# KiCad board SoundLab16StepSequencer.kicad_pcb (continued)
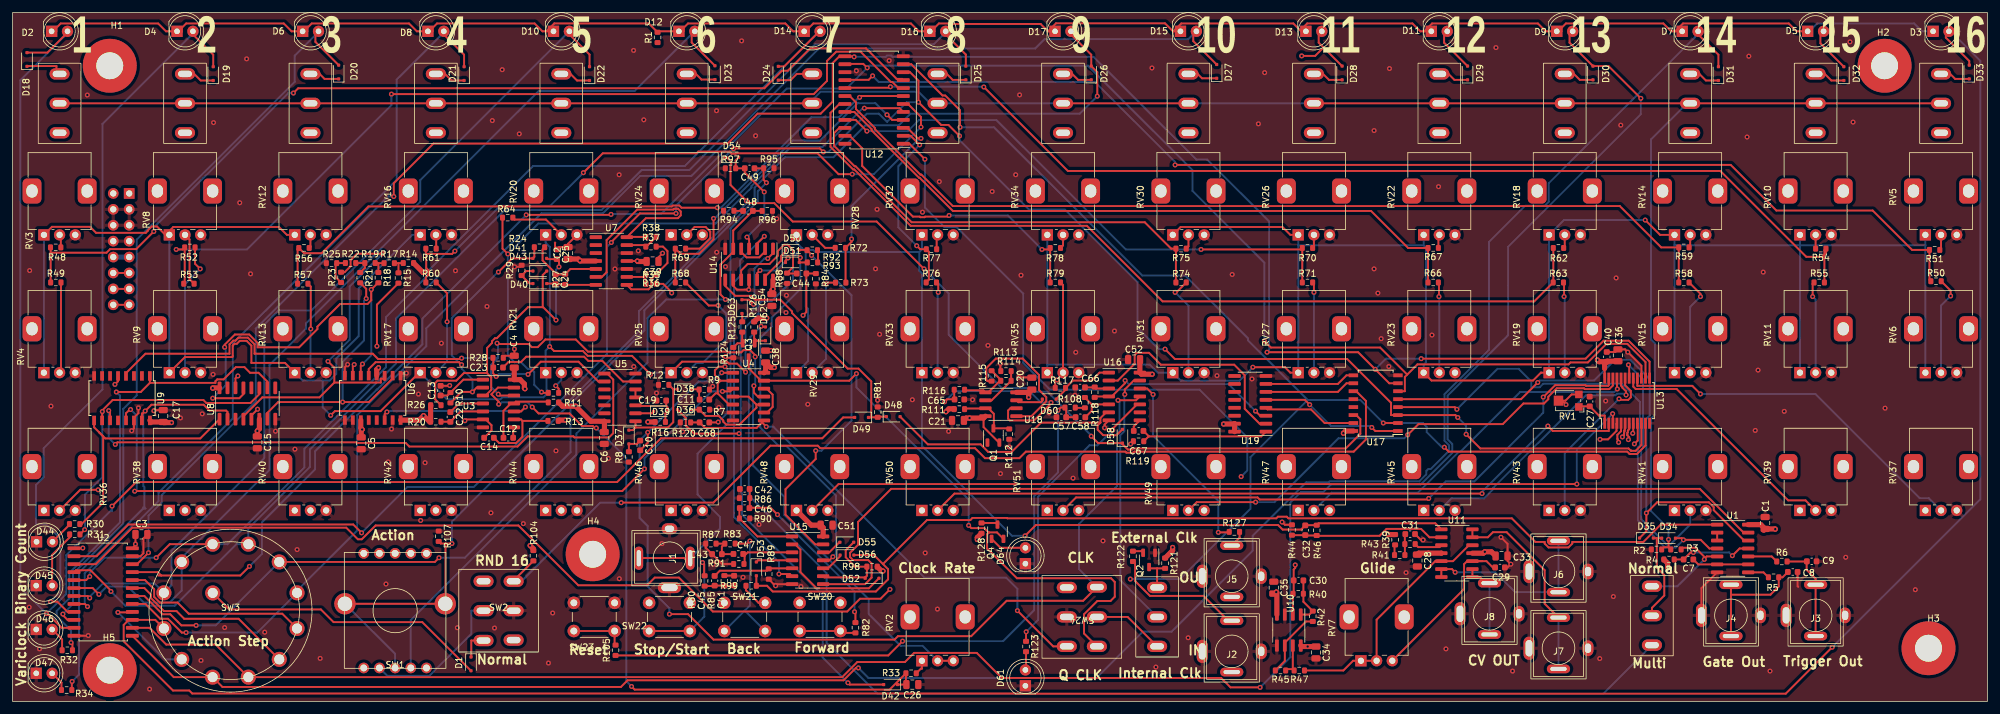
[diagram p0: board, top side]
## Routing (per net, layer and track width the routed paths; a pad name or vN(x,y) marks a point on that pad's centre or on a via; arc(x,y) is an arc through that point) (continued)
Net-(D60-K): length 10.3
  Top w0.305: D60.1 167.9,49.78 R117.2 169.06,51.24 172.06,51.24 173.33,52.51 U16.1
Net-(D61-A): length 3
  Top w0.305: R123.2 161.6,5.14 D61.2
Net-(D62-A): length 195.4
  Top w0.305: v1(119.35,59.9) 119.45,59.8 D62.2
  Bottom w0.305: SW26.3 253.6,1.2 137.96,1.2 129.8,9.36 129.8,20.47 117.4,32.88 117.4,52.04 117.65,52.29 117.65,58.2 v1(119.35,59.9)
Net-(D62-K): length 3.5
  Top w0.305: Q3.1 118.32,57.35 118.61,57.64 ; 118.61,57.64 118.25,58 R126.1 ; 118.61,57.64 118.65,57.6 D62.1
Net-(D63-K): length 1.3
  Top w0.305: D63.1 116.35,61.9 R125.2
Net-(D64-A): length 6
  Top w0.305: D64.2 157.52,24.54 Q4.1
Net-(J9-Pin_11): length 2.5
  Top w0.305: 16.06,68.42 18.6,68.42
Net-(J9-Pin_13): length 2.5
  Top w0.305: J9.14 J9.13
Net-(J9-Pin_15): length 2.5
  Top w0.305: 16.06,63.34 18.6,63.34
Net-(Q1-C): length 10
  Top w0.305: R112.2 158.82,43.61 Q1.3 156.47,43.68 156.47,45.94 155.62,46.78 155.12,46.78 ; 155.12,46.78 U18.3 ; 155.12,46.78 151.91,46.78 R111.1
Net-(Q2-B): length 1.7
  Top w0.305: Q2.2 180.01,24 R122.1
Net-(Q2-C): length 5.7
  Top w0.305: 182.5,21.25 SW25.3 ; 182.5,21.25 181.44,21.25 Q2.3 ; 182.5,21.25 R121.1
Net-(Q3-B): length 3.6
  Top w0.305: R125.1 116.35,57.26 Q3.2 115.59,57.19 R124.2
Net-(Q4-C): length 2.7
  Top w0.305: Q4.3 156.79,28.5 R128.1
Net-(R5-Pad1): length 3.7
  Top w0.305: U1.8 279.19,20.62 R5.1 279.85,19.7
Net-(R6-Pad1): length 5
  Top w0.305: U1.10 280.5,23.16 R6.1 281.19,22.24
Net-(R14-Pad1): length 3
  Top w0.305: 61.53,69.98 R15.1 ; 61.53,69.98 R17.2 ; 61.53,69.98 62.28,69.98 R14.1
Net-(R17-Pad1): length 2.9
  Top w0.305: 58.33,69.98 R18.1 ; 58.33,69.98 R17.1 ; 58.33,69.98 57.84,69.98 R19.2
Net-(R19-Pad1): length 3.3
  Top w0.305: R21.1 56.17,69.23 R19.1 54.73,70 54.72,70
Net-(R22-Pad1): length 4.9
  Top w0.305: R23.1 51.51,67.76 51.51,69.82 R25.2 53.06,69.99 R22.1
Net-(R33-Pad2): length 2.5
  Top w0.305: RV2.1 145,5.25 144.85,5.25 R33.2
Net-(R35-Pad2): length 169.7
  Top w0.305: v1(247.7,47.4) 247.07,48.03 RV1.2 247.6,48.03 248.6,49.03 RV1.3 ; R35.2 103.75,66.67 105.1,65.33 v1(105.1,65.22)
  In2.Cu w0.305: v1(247.7,47.4) 251.25,50.95 251.25,53.02 250.52,53.75 248.97,53.75 244.95,57.77 244.95,61.21 243.66,62.5 127.98,62.5 123.88,66.61 106.48,66.61 v1(105.1,65.22)
Net-(R36-Pad1): length 13.2
  Top w0.305: R37.2 103.71,72.62 104.43,71.91 104.43,70 R36.1 101.84,67.42 101.84,66.25 101.4,65.81 98.66,65.81 U7.8
Net-(R39-Pad1): length 1.7
  Top w0.305: R41.2 220.36,24.91 R39.1
Net-(R45-Pad1): length 5.3
  Top w0.305: R45.1 203.21,5.16 204.13,5.16 ; U10.7 204.13,5.16 ; 204.13,5.16 R47.2
Net-(R48-Pad2): length 2.1
  Top w0.305: R48.2 7.7,74.3 RV3.2
Net-(R49-Pad2): length 14.5
  Top w0.305: RV4.2 7.72,52.72 7.72,66.9
Net-(R50-Pad1): length 15.9
  Top w0.305: R50.1 309.02,65.6 v1(309.02,64.75)
  Bottom w0.305: RV6.2 307.5,63.22 v1(309.02,64.75)
Net-(R51-Pad1): length 2.5
  Top w0.305: RV5.2 307.5,72.3 R51.1
Net-(R52-Pad2): length 21.3
  Top w0.305: R52.2 29.1,69.89 v1(29.92,69.07)
  Bottom w0.305: v1(29.92,69.07) 27.5,66.64 RV9.2
Net-(R53-Pad1): length 8.4
  Top w0.305: RV8.2 28.22,73.78 28.22,67.43 R53.1
Net-(R54-Pad2): length 2.2
  Top w0.305: R54.2 RV10.2
Net-(R55-Pad2): length 14.7
  Top w0.305: v1(287.03,64.65) 287.03,66.68 R55.2
  Bottom w0.305: RV11.2 287.5,64.18 v1(287.03,64.65)
Net-(R56-Pad2): length 2.2
  Top w0.305: R56.2 47.5,72.61 RV12.2
Net-(R57-Pad2): length 14.4
  Top w0.305: R57.2 47.55,66.25 v1(47.55,59.49)
  Bottom w0.305: v1(47.55,59.49) 47.5,59.44 RV13.2
Net-(R58-Pad1): length 15.8
  Top w0.305: R58.1 269.14,65.09 v1(269.14,64.65)
  Bottom w0.305: RV15.2 267.5,63.01 v1(269.14,64.65)
Net-(R59-Pad1): length 2.1
  Top w0.305: R59.1 267.5,72.67 RV14.2
Net-(R60-Pad2): length 15.9
  Top w0.305: R60.2 69.29,65.16 v1(69.29,60.63)
  Bottom w0.305: v1(69.29,60.63) 69.29,54.29 RV17.2
Net-(R61-Pad1): length 2.2
  Top w0.305: R61.1 67.55,74.45 RV16.2
Net-(R62-Pad2): length 2.2
  Top w0.305: R62.2 247.5,72.58 RV18.2
Net-(R63-Pad2): length 14.5
  Top w0.305: R63.2 247.39,66.81 v1(247.39,64.65)
  Bottom w0.305: v1(247.39,64.65) 247.5,64.54 RV19.2
Net-(R64-Pad2): length 8.9
  Top w0.305: RV20.2 85.06,76.94 80.08,76.94 79.78,77.25
Net-(R65-Pad2): length 3.8
  Top w0.305: v1(86.61,50.41) 87.07,49.95 R65.2
  Bottom w0.305: RV21.2 87.5,51.29 v1(86.61,50.41)
Net-(R66-Pad1): length 14.5
  Top w0.305: R66.1 227.44,66.81 v1(227.44,64.65)
  Bottom w0.305: v1(227.44,64.65) 227.5,64.59 RV23.2
Net-(R67-Pad1): length 2.2
  Top w0.305: R67.1 227.35,74.35 RV22.2
Net-(R68-Pad2): length 21.1
  Top w0.305: v1(112.51,63.22) 111,63.22 R68.2
  Bottom w0.305: v1(112.51,63.22) 113.8,61.94 113.8,57.82 110.04,54.06 109.06,54.06 RV25.2
Net-(R69-Pad1): length 10.2
  Top w0.305: R69.1 109.57,72.3 111.25,73.98 111.25,75.02 110.52,75.75 108.75,75.75 RV24.2
Net-(R70-Pad2): length 2.2
  Top w0.305: RV26.2 207.5,72.61 R70.2
Net-(R71-Pad2): length 14.5
  Top w0.305: v1(207.51,65.32) 207.51,66.69 R71.2
  Bottom w0.305: v1(207.51,65.32) 207.5,65.31 RV27.2
Net-(R72-Pad2): length 4.5
  Top w0.305: RV28.2 129.57,72.42 R72.2
Net-(R73-Pad2): length 16.7
  Top w0.305: v1(129.69,66.66) 129.9,66.88 131.22,66.88
  Bottom w0.305: v1(129.69,66.66) 129.69,54.69 RV29.2
Net-(R74-Pad1): length 16.1
  Top w0.305: R74.1 185.57,65.32 v1(185.37,65.32)
  Bottom w0.305: v1(185.37,65.32) 187.5,63.2 RV31.2
Net-(R75-Pad1): length 2.3
  Top w0.305: R75.1 187.5,72.65 RV30.2
Net-(R76-Pad2): length 14.6
  Top w0.305: R76.2 147.6,66.62 v1(147.6,65.32)
  Bottom w0.305: v1(147.6,65.32) 147.5,65.22 RV33.2
Net-(R77-Pad1): length 2.4
  Top w0.305: RV32.2 147.35,74.35 R77.1
Net-(R78-Pad2): length 2.3
  Top w0.305: R78.2 167.5,72.81 RV34.2
Net-(R79-Pad2): length 14.6
  Top w0.305: R79.2 167.5,66.5 RV35.2
Net-(R80-Pad2): length 20.8
  Top w0.305: R80.2 110.28,20.15 110.28,21.92 v1(110.01,22.18) ; SW22.2 SW22.2
  Bottom w0.305: SW22.2 110.3,13.55 110.3,21.9 v1(110.01,22.18)
Net-(R82-Pad1): length 9
  Top w0.305: R82.1 132.3,10.95 SW20.2 SW20.2
Net-(R83-Pad1): length 23.2
  Top w0.305: v1(117.57,25.61) 117.15,25.2 R83.1
  Bottom w0.305: SW21.2 116.75,14.5 ; 116.75,14.5 SW21.2 ; 116.75,14.5 117.57,15.32 v1(117.57,25.61)
Net-(R92-Pad1): length 2
  Top w0.305: R92.1 128.43,71.97 128.43,70.16 R93.1
Net-(R105-Pad2): length 8.8
  Top w0.305: R105.2 96,9.15 SW23.2 SW23.2
Net-(R108-Pad1): length 1.6
  Top w0.305: R108.1 169.5,46.88 R110.2
Net-(R114-Pad1): length 8.9
  Top w0.305: R114.1 157.57,51.21 157.44,51.21 ; 157.44,51.21 157.44,51.48 156.12,52.8 R115.2 ; 157.44,51.21 155.59,49.35 U18.1 154.81,49.68 151.9,49.68 R116.2
Net-(R123-Pad1): length 46.4
  Top w0.305: R123.1 161.6,11.1 v1(161.62,11.12) ; v1(175.43,43.32) 175.43,43.56 179.29,47.43 U16.10
  Bottom w0.305: v1(161.62,11.12) 163.53,13.03 163.53,32.7 171.73,40.9 173,40.9 v1(175.43,43.32)
Net-(R127-Pad1): length 30.6
  Top w0.305: U16.12 180.91,49.97 v1(181.86,49.02) ; v1(192.26,27) 193.93,27 R127.1
  Bottom w0.305: v1(192.26,27) 192.26,32.03 181.86,42.44 v1(181.86,49.02)
Net-(RV10-Pad1): length 320.7
  Top w0.305: RV26.1 203.75,74.5 202.49,75.75 186.25,75.75 RV30.1 ; RV23.1 226.25,51.25 242.44,51.25 243.7,52.5 RV19.1 ; v1(197.77,53.37) 202.88,53.37 203.75,52.5 RV27.1 ; RV14.1 262.7,74.5 v1(260.33,76.87)
  Bottom w0.305: RV10.1 285,72.83 ; 285,72.83 RV11.1 ; 285,72.83 265,72.83 ; 285,72.83 305,72.83 ; 205,72.83 225,72.83 ; 205,72.83 RV26.1 ; 205,72.83 RV27.1 ; 225,72.83 RV22.1 ; 225,72.83 225.36,72.47 225.36,54.12 225,53.75 RV23.1 ; RV15.1 265,72.83 ; 265,72.83 RV14.1 ; v1(260.33,76.87) 247.37,76.87 RV18.1 RV19.1 ; RV6.1 305,72.83 ; 305,72.83 RV5.1 ; 165,53.79 181.32,53.79 182.61,52.5 RV31.1 186.29,51.21 195.61,51.21 v1(197.77,53.37) ; 165,53.79 RV34.1 ; 165,53.79 RV35.1
Net-(SW1-Pad4): length 23.6
  Bottom w0.305: SW1.4 59.75,4.1 66.46,4.1 73.15,10.78 73.15,14.5 SW2.2
Net-(SW25-A): length 11.5
  Top w0.305: SW25.1 177.8,13.5 SW24.2
Net-(SW25-B): length 42
  Top w0.305: U16.13 178.78,51.24 177.35,49.81 v1(177.35,49.03)
  Bottom w0.305: SW25.2 176.62,19.38 176.62,42.51 177.28,43.16 177.28,48.96 v1(177.35,49.03)
Net-(U1-Pad2): length 1.3
  Top w0.305: U1.2 U1.3
Net-(U1-Pad13): length 167.4
  Top w0.305: U15.8 135.93,18.73 136.98,19.77 136.98,22.03 136.44,22.57 134.02,22.57 133.55,23.05 133.55,23.75 134.81,25.01 134.81,28.66 140.1,33.94 269.04,33.94 276.02,26.97 U1.13
Net-(U4B-D): length 5.5
  Top w0.305: 119.82,49.94 120.25,49.94 121.2,48.99 121.2,47.02 120.31,46.13 U4.9
Net-(U4B-S): length 78
  Top w0.305: R120.1 C68.1 110.42,43.68 118.64,43.68 119.51,44.55 ; SW24.6 165.93,8.8 v1(160.22,14.5) ; 119.51,44.55 U4.8 ; 119.51,44.55 v1(120.18,43.88)
  Bottom w0.305: v1(160.22,14.5) 160.22,17.98 158.45,19.75 145.43,19.75 121.3,43.88 v1(120.18,43.88)
Net-(U5-Pad4): length 1.3
  Top w0.305: U5.5 U5.4
Net-(U6-MR): length 26
  Top w0.305: U6.14 59.33,45.88 v1(59.69,46.23) ; v1(81.77,47.01) 81.07,46.31 U3.10
  Bottom w0.305: v1(59.69,46.23) 59.85,46.4 81.16,46.4 v1(81.77,47.01)
Net-(U6-Q0): length 59.6
  Top w0.305: v1(50.3,54.3) 51.31,53.3 51.31,50.92 ; U6.3 59.33,51.3 59.09,51.55 58.72,51.55 58.72,50.92 57.96,50.92 57.96,50.92 51.31,50.92 ; v1(58.98,71.49) 54.92,71.49 53.9,70.47 53.9,69.5 52.94,68.54 R23.2 ; 51.31,50.92 48.94,48.56 39.84,48.56 36.81,45.54 U8.4
  Bottom w0.305: v1(50.3,54.3) 53.76,57.76 53.76,66.27 v1(58.98,71.49)
Net-(U6-Q1): length 44.7
  Top w0.305: U6.2 60.61,51.57 56.83,47.8 v1(52.63,47.8) 42.35,47.8 40.62,46.07 U8.7 ; v1(56.39,64.33) 56.39,65.88 R21.2
  Bottom w0.305: v1(56.39,64.33) 56.05,63.98 56.05,57.65 52.63,54.23 v1(52.63,47.8)
Net-(U6-Q2): length 62
  Top w0.305: v1(33.82,56.56) 33.82,56.96 35.45,58.59 37.73,58.59 39.09,57.23 39.09,56.55 45.7,56.55 48.61,59.46 48.61,59.85 52.23,63.47 56.61,63.47 57.2,64.05 v1(57.2,65.77) 58.26,66.84 R18.2 ; v1(31.92,48.42) 36.16,48.42 36.81,49.08 U8.13 ; U6.6 55.53,53.6 v1(55.8,53.88)
  Bottom w0.305: v1(33.82,56.56) 33.99,56.39 33.99,50.48 v1(31.92,48.42) ; v1(55.8,53.88) 57.2,55.27 v1(57.2,65.77)
Net-(U6-Q3): length 40.3
  Top w0.305: U6.7 54.25,53.57 v1(54.48,53.8) ; v1(58.1,56.72) 58.1,63.35 R15.2 ; v1(35.92,51.97) 35.55,51.59 U8.14
  In1.Cu w0.305: v1(58.1,56.72) 57.2,56.72 54.48,54 v1(54.48,53.8) 54.48,53.72 52,51.25 36.65,51.25 v1(35.92,51.97)
Net-(U7B-+): length 12.4
  Top w0.305: R24.1 84.51,72.19 84.51,70.43 86.77,68.17 86.96,68.17 ; U7.5 88.96,69.06 88.07,68.17 86.96,68.17 ; 86.96,68.17 C24.1
Net-(U7B--): length 34.9
  Top w0.305: R38.1 97.99,74.17 U7.14 100.98,77.17 106.1,77.17 106.55,77.61 106.55,78.24 106.1,78.68 105.48,78.68 105.34,78.53 99.6,78.53 94.72,73.66 94.72,68.53 93.97,67.78 U7.6
Net-(U7C--): length 4.5
  Top w0.305: 100.56,67.78 101,67.34 R35.1 ; 100.56,67.78 R36.2 ; 100.56,67.78 U7.9
Net-(U7D--): length 5.6
  Top w0.305: R38.2 101.31,72.86 100.65,72.86 ; 100.65,72.86 100.74,72.86 R37.1 ; 100.65,72.86 97.95,72.86
Net-(U8-E0): length 43
  Top w0.305: v1(72.12,44.82) 72.34,45.03 U3.6 75.45,45.03 76.37,44.11 76.37,43.27 C14.2 ; v1(39.07,46.66) 38.08,45.67 38.08,45.07
  In1.Cu w0.305: v1(72.12,44.82) 40.92,44.82 40.1,45.65 40.09,45.65 v1(39.07,46.66)
Net-(U9-LOAD): length 98.7
  Top w0.305: v1(16.38,41.04) 16.72,41.38 54.82,41.38 54.92,41.28 62.69,41.28 63.26,40.7 80.52,40.7 82.14,42.33 89.43,42.33 89.59,42.16 95.11,42.16 95.78,42.83 95.78,51.4 94.82,52.36 U5.8 ; v1(15.33,46.44) 15.55,46.22 U9.11
  Bottom w0.305: v1(15.33,46.44) 15.33,42.09 v1(16.38,41.04)
Net-(U9-P0): length 67.1
  Top w0.305: R34.2 9.45,3.15 v1(9.5,3.2) ; U8.2 34.28,46.22 34.05,46.45 31.4,46.45 30.47,47.38 22.15,47.38 v1(21.15,46.38) 20.75,45.98 20.63,45.98 U9.15
  Bottom w0.305: 20.83,30.8 21.2,30.8 21.03,30.97 21.03,34.24 20.85,34.41 20.85,46.08 v1(21.15,46.38) ; 20.83,30.8 20.83,31 ; 20.83,30.8 10.6,20.57 10.6,4.3 v1(9.5,3.2)
Net-(U9-P1): length 75.7
  Top w0.305: 21.9,50.87 32.35,50.87 32.35,51.14 32.64,51.43 33.65,51.43 35.61,53.38 36.97,53.38 37.88,52.48 39.22,52.48 40.62,51.07 U8.10 ; 21.9,50.87 20.44,49.41 v1(16.55,49.41) ; 21.9,50.87 U9.1 ; R32.2 9.55,9.19 v1(9.33,9.4)
  Bottom w0.305: v1(9.33,9.4) 9.33,11.32 7.03,13.62 7.03,14.45 9.05,16.48 9.05,20.52 17.14,28.61 17.14,48.82 v1(16.55,49.41)
Net-(U9-P2): length 50.2
  Top w0.305: R31.2 11.51,27.43 v1(11.51,27.44) ; U8.11 39.36,49.08 37.94,47.66 30.9,47.66 30.43,48.13 15.96,48.13 14.31,46.48 v1(14.31,46.29) 14.28,46.25 U9.10
  Bottom w0.305: v1(14.31,46.29) 14.31,35.79 11.55,33.03 11.55,27.48 v1(11.51,27.44)
Net-(U9-P3): length 39.7
  Top w0.305: U8.1 29.93,42 14.78,42 13.81,42.97 ; 10.72,28.32 11,28.32 14.45,31.78 14.45,42.33 13.81,42.97 ; 13.81,42.97 13.01,43.77 U9.9
Net-(U10B--): length 10.9
  Top w0.305: R42.1 206.25,12.78 202.87,9.39 U10.6 202.87,6.47 R45.2
Net-(U11A-+): length 4.5
  Top w0.305: 227.82,24.94 227.52,24.65 224.13,24.65 R43.1
Net-(U11A--): length 24.9
  Top w0.305: R44.1 206.11,26.55 C32.1 206.19,26.5 R46.2 208,26.45 217.98,26.45 219.08,27.55 224.59,27.55 225.93,26.22 U11.2
Net-(U11B-+): length 38.9
  Top w0.305: R47.1 212.2,4.95 213.75,6.5 RV7.1 RV7.2 217.5,13.05 226.85,22.41 U11.5 229.68,22.41 232.22,24.94 232.77,24.94
Net-(U11C-+): length 27.3
  Top w0.305: RV7.3 231.45,17.95 231.45,21.92 231.93,22.41 234.35,22.41 ; 234.35,22.41 235.02,22.41 236.02,21.4 C33.1 ; 234.35,22.41 U11.10
Net-(U12-I0): length 157.6
  Top w0.305: 6.08,71.65 6.08,72.47 R48.1 ; 6.08,71.65 R49.1 ; 6.08,71.65 14.99,71.65 15.56,72.22 19.71,72.22 v1(22.52,75.04) ; U12.9 141.83,99.41 140.96,99.41 136.09,104.28 127.18,104.28 123.61,100.71 122.68,100.71 119.88,97.91 45.55,97.91 v1(44.79,97.15)
  Bottom w0.305: v1(44.79,97.15) 43.98,97.15 22.52,75.69 v1(22.52,75.04)
Net-(U12-I1): length 141.7
  Top w0.305: v1(26.1,72.17) 27.12,72.17 R52.1 27.45,66.85 R53.2 ; v1(60.41,96.97) 127.76,96.97 129.86,99.08 129.86,102.27 131.34,103.75 135.21,103.75 140.05,98.9 140.29,98.9 141.25,97.94 U12.8
  Bottom w0.305: v1(60.41,96.97) 60.41,95.21 37.38,72.17 v1(26.1,72.17)
Net-(U12-I2): length 113.2
  Top w0.305: v1(135.06,96.45) 135.28,96.67 U12.7 ; v1(112.38,78.84) 106.66,78.84 106.31,79.18 105.27,79.18 105.13,79.04 56.74,79.04 49.27,71.57 46.49,71.57 R56.1 45.45,72.21 R57.1
  Bottom w0.305: v1(135.06,96.45) 134.95,96.45 131.79,93.29 127.39,93.29 112.94,78.84 v1(112.38,78.84)
Net-(U12-I3): length 101.4
  Top w0.305: v1(133.9,84.19) 131.71,84.19 128.37,87.52 115.37,87.52 115.31,87.46 114.64,87.46 114.31,87.79 109.34,87.79 109.06,87.52 94.11,87.52 v1(91.02,84.43) ; v1(144.85,91.71) 144.85,93.33 142.78,95.4 U12.6 ; 65.9,71.46 70.08,71.46 v1(70.53,71.91) ; 65.9,71.46 R61.2 ; 65.9,71.46 65.96,71.4 65.96,69.2 66.34,68.83 66.34,68.16 65.9,67.73 R60.1
  Bottom w0.305: v1(133.9,84.19) 137.32,84.19 v1(144.85,91.71) ; v1(70.53,71.91) 77.77,79.14 85.74,79.14 v1(91.02,84.43)
Net-(U12-I4): length 105.5
  Top w0.305: v1(135.82,94.72) 141.43,94.72 U12.5 ; R65.1 84.47,49.28 v1(84.35,49.39) ; v1(78.97,71.45) 78.12,72.3 R64.1
  Bottom w0.305: v1(84.35,49.39) 83.18,50.57 83.18,52.61 82.68,53.1 82.13,53.1 81.08,54.15 80.07,54.15 78.97,55.25 v1(78.97,71.45) 83.85,76.32 112.09,76.32 117.82,82.04 117.82,82.27 124.07,88.52 129.12,88.52 130.46,89.86 130.7,89.86 135.56,94.72 v1(135.82,94.72)
Net-(U12-I5): length 55.1
  Top w0.305: U12.4 140.25,92.86 v1(139.44,93.67) ; v1(111.78,77.12) 111.78,73.79 109.46,71.47 106.5,71.47 R69.2 R68.1
  Bottom w0.305: v1(111.78,77.12) 111.96,77.12 124.41,89.58 126.25,89.58 126.28,89.55 128.76,89.55 134.74,95.53 137.58,95.53 v1(139.44,93.67)
Net-(U12-I6): length 31.7
  Top w0.305: U12.3 142.67,91.59 144.36,89.9 v1(144.85,89.9) ; R73.1 132.82,66.92 R72.1 133.78,73.38 v1(133.78,73.84)
  Bottom w0.305: v1(144.85,89.9) 144.6,89.9 133.78,79.08 v1(133.78,73.84)
Net-(U12-I7): length 29.3
  Top w0.305: R76.1 146.1,67.33 146.1,71.81 R77.2 144.72,72.21 v1(144.17,72.76) ; v1(144.64,88.87) 143.19,90.32 U12.2
  Bottom w0.305: v1(144.64,88.87) 141.24,85.48 141.24,75.69 v1(144.17,72.76)
Net-(U12-I8): length 47.6
  Top w0.305: 165.45,72.17 R79.1 ; 165.45,72.17 v1(164.14,72.17) ; 165.45,72.17 R78.1 ; v1(149.33,77.6) 149.15,77.42 145.52,77.42 145.42,77.32 144.76,77.32 144.66,77.42 143.56,77.42 135.47,85.51 135.47,88.32 133.48,90.32 U12.23
  Bottom w0.305: v1(149.33,77.6) 158.71,77.6 v1(164.14,72.17)
Net-(U12-I9): length 70.8
  Top w0.305: U12.22 131.84,91.59 130.99,90.74 130.99,88.73 134.27,85.45 134.42,85.45 143.36,76.51 180.53,76.51 184.74,72.3 R75.2 R74.2
Net-(U12-I10): length 88.5
  Top w0.305: 205.65,72.17 v1(189.5,72.17) ; 205.65,72.17 R71.1 ; 205.65,72.17 R70.1 ; U12.21 134.43,92.86 v1(136.23,91.06)
  Bottom w0.305: v1(136.23,91.06) 142.76,91.06 144.51,92.82 156.87,92.82 177.52,72.17 v1(189.5,72.17)
Net-(U12-I11): length 107.6
  Top w0.305: U12.20 134.23,94.13 136.98,91.37 136.98,91.18 144.54,83.62 144.64,83.62 149.94,78.31 216.62,78.31 222.52,72.41 R67.2 R66.2
Net-(U12-I12): length 140.5
  Top w0.305: U12.19 131.84,95.4 130.42,93.98 130.42,88.55 134.03,84.94 134.21,84.94 143.21,75.94 171.32,75.94 183.38,63.88 242.63,63.88 R63.1 245.68,66.92 R62.1
Net-(U12-I13): length 149.3
  Top w0.305: R58.2 R59.2 262.88,72.5 256.27,79.1 149.93,79.1 144.91,84.12 144.75,84.12 137.49,91.39 137.49,91.58 134.48,94.59 134.48,95.66 133.48,96.67 U12.18
Net-(U12-I14): length 174.2
  Top w0.305: v1(154.86,98.11) 168.27,84.7 272.31,84.7 286.01,71 288.55,71 289.15,71.6 R54.1 288.9,72.05 R55.1 ; U12.17 132.78,97.99 139.82,97.99 v1(139.97,98.15)
  Bottom w0.305: v1(154.86,98.11) 154.83,98.15 v1(139.97,98.15)
Net-(U12-I15): length 190.1
  Top w0.305: U12.16 132.78,99.26 136.51,99.26 v1(137.14,99.89) ; R50.2 305.65,67.33 R51.2 302.89,72.1 296.6,78.38 281.24,78.38 273.96,85.67 v1(185.37,85.67)
  Bottom w0.305: v1(137.14,99.89) 138.1,98.92 172.57,98.92 185.37,86.13 v1(185.37,85.67)
Net-(U13-I0): length 300.8
  Top w0.305: 259.02,45.08 259.04,45.1 259.07,45.1 U13.9 259.13,44.37 259.13,41.66 v1(258.6,41.12) ; v1(13.65,33.8) 10.8,33.8 RV36.2
  In1.Cu w0.305: v1(258.6,41.12) 258.6,34.84 235.51,11.75 233.91,11.75 233.79,11.62 226.9,11.62 223.02,7.75 213.75,7.75 211.75,5.75 198.11,5.75 197.11,6.75 192.17,6.75 189.67,4.26 187.63,6.29 160.98,6.29 158.95,4.26 73.63,4.26 71.94,2.57 44.49,2.57 35.42,11.63 35.42,26.85 29.6,32.67 14.78,32.67 v1(13.65,33.8)
Net-(U13-I1): length 278.3
  Top w0.305: v1(258.34,42.82) 258.43,42.9 U13.8
  In1.Cu w0.305: RV38.2 27.5,24.66 34.92,17.24 34.92,11.05 44.5,1.47 132.83,1.47 135.11,3.75 189.88,3.75 192.38,6.25 196.9,6.25 197.9,5.25 234.25,5.25 242.23,13.22 242.23,15.88 259.48,33.13 259.48,41.68 v1(258.34,42.82)
Net-(U13-I2): length 260.2
  Top w0.305: v1(257.65,41.81) 257.77,41.93 257.77,42.2 257.47,42.5 257.47,42.65 257.48,42.66 257.48,42.92 257.56,42.99 257.56,43.25 257.77,43.47 U13.7
  In1.Cu w0.305: RV40.2 47.5,29.23 55.05,21.67 55.05,9.64 52.29,6.88 52.29,4.74 53.96,3.07 71.38,3.07 73.14,4.83 131.95,4.83 133.5,6.38 137.79,6.38 139.74,8.32 155.2,8.32 158.87,12 190.6,12 191.25,11.35 209.95,11.35 210.15,11.15 224.42,11.15 229.48,16.2 231.91,16.2 233.3,17.59 233.3,19.34 233.91,19.95 235.66,19.95 244.81,29.1 250.75,29.1 257.55,35.9 257.55,41.71 v1(257.65,41.81)
Net-(U13-I3): length 259.6
  Top w0.305: U13.6 257.12,43.54 257.05,43.46 257.05,43.2 256.98,43.2 256.98,42.87 256.97,42.86 256.97,42.51 v1(256.69,42.24)
  In1.Cu w0.305: v1(256.69,42.24) 256.89,42.04 256.89,37.86 251.62,32.6 243.75,32.6 243.75,29.34 234.86,20.46 233.7,20.46 232.79,19.55 232.79,18.39 231.11,16.71 229.27,16.71 228.41,15.85 211.89,15.85 210.44,14.4 192.37,14.4 191.47,15.3 159.44,15.3 155.29,11.15 141.85,11.15 138.2,7.5 101.45,7.5 99.28,5.33 72.93,5.33 71.17,3.57 54.68,3.57 53.71,4.54 53.71,6.27 59.81,12.36 59.81,13.97 67.2,21.37 67.2,30.2 RV42.2
Net-(U13-I4): length 191.3
  Top w0.305: 256.48,44.43 256.48,43.16 255.89,42.57 255.89,41.91 255.94,41.86 255.94,41.52 v1(256.09,41.37)
  In1.Cu w0.305: RV44.2 89.47,28.53 98.47,28.53 109.45,17.55 133.75,17.55 135.04,16.26 192.2,16.26 193.29,15.18 209.7,15.18 211.6,17.07 228.92,17.07 229.06,17.21 230.51,17.21 232.29,18.99 232.29,19.75 233.5,20.96 234.26,20.96 242.3,29 242.3,31.87 251.48,41.05 255.76,41.05 v1(256.09,41.37)
Net-(U13-I5): length 167.9
  Top w0.305: v1(253.12,41.85) 254.4,41.85 255.75,43.2 255.75,44.35 U13.4
  In1.Cu w0.305: v1(253.12,41.85) 251.57,41.85 238.48,28.76 238.48,26.29 233.65,21.47 233.29,21.47 231.78,19.96 231.78,19.6 230.46,18.28 211.4,18.28 209.79,16.66 197.74,16.66 185.34,29.06 108.94,29.06 RV46.2
Net-(U13-I6): length 138.8
  Top w0.305: RV48.2 131.71,34.71 v1(249.42,34.71) ; U13.3 255.18,45.91 v1(255.14,45.94)
  Bottom w0.305: v1(255.14,45.94) 249.42,40.23 v1(249.42,34.71)
Net-(U13-I7): length 114.3
  Top w0.305: v1(234.32,33.19) 150.19,33.19 RV50.2 ; U13.2 254.52,43.2 245.58,43.2 v1(244.8,43.97)
  Bottom w0.305: v1(234.32,33.19) 234.32,33.49 v1(244.8,43.97)
Net-(U13-I8): length 98.2
  Top w0.305: RV51.2 169.58,32.58 198.52,32.58 198.85,32.25 225.64,32.25 v1(225.81,32.42) ; U13.23 254.52,50.51 254.41,50.4 250.9,50.4 250.79,50.5 245.98,50.5 v1(244.07,48.6)
  Bottom w0.305: v1(225.81,32.42) 228.53,35.14 233.1,35.14 244.07,46.11 v1(244.07,48.6)
Net-(U13-I9): length 77.4
  Top w0.305: RV49.2 188.83,31.83 v1(198.2,31.83) ; U13.22 255.18,50.45 254.6,49.88 250.7,49.88 250.58,50 246.22,50 244.87,48.65 244.87,48.27 244.18,47.57 240.91,47.57 237.62,44.29 224.17,44.29 v1(222.46,42.57)
  Bottom w0.305: v1(198.2,31.83) 201.22,31.83 211.42,42.02 221.91,42.02 v1(222.46,42.57)
Net-(U13-I10): length 58.2
  Top w0.305: v1(255.88,49.89) 255.82,49.95 U13.21
  Bottom w0.305: v1(255.88,49.89) 255.39,49.4 240.37,49.4 230.83,39.85 230.59,39.85 224.08,33.34 210.34,33.34 RV47.2
Net-(U13-I11): length 40.7
  Top w0.305: v1(257.28,48.94) 257.28,49.51 256.68,50.11 256.68,50.22 256.48,50.43 256.48,51.62
  Bottom w0.305: v1(257.28,48.94) 257.09,49.13 255.83,49.13 255.6,48.9 250.87,48.9 236.1,34.13 236.1,33.91 234.63,32.43 229.43,32.43 RV45.2
Net-(U13-I12): length 27
  Top w0.305: U13.19 257.12,50.49 258.04,49.58 258.04,48.57 257.62,48.15 256.32,48.15 v1(256.15,48.33)
  Bottom w0.305: RV43.2 247.5,39.67 v1(256.15,48.33)
Net-(U13-I13): length 40.9
  Top w0.305: v1(257.65,53.75) 257.77,53.62 U13.18
  Bottom w0.305: RV41.2 267.5,28.26 264.34,25.1 263.7,25.1 259.69,29.11 259.69,40.19 259.98,40.48 259.98,51.42 v1(257.65,53.75)
Net-(U13-I14): length 38.6
  Top w0.305: RV39.2 285.89,32.11 283.12,32.11 265.34,49.89 258.81,49.89 258.43,50.27 U13.17
Net-(U13-I15): length 57.9
  Top w0.305: U13.16 259.07,50.4 267.84,50.4 v1(269.14,49.1)
  Bottom w0.305: v1(269.14,49.1) 287.46,49.1 304.11,32.45 305.55,32.45 RV37.2
Net-(U14A-C): length 63.6
  Top w0.305: v1(119.87,74.27) 118.72,73.12 118.72,72.28 ; U15.6 123.95,20.35 v1(122.2,20.35)
  Bottom w0.305: v1(119.87,74.27) 115.98,70.38 115.98,69.68 116.03,69.63 116.03,67.94 115.05,66.96 115.05,29.43 122.2,22.27 v1(122.2,20.35)
Net-(U14A-D): length 5.5
  Top w0.305: 119.99,72.28 119.99,71.84 119.06,70.91 117.03,70.91 116.18,71.76 116.18,72.28
Net-(U14B-R): length 17.9
  Top w0.305: C44.1 123.56,68.33 R88.2 124.45,69.35 124.45,72.08 123.6,72.92 123.03,72.92 122.04,71.94 122.04,71.19 120.7,69.85 117.21,69.85 116.18,68.82 U14.10
Net-(U18A--): length 6.9
  Top w0.305: R113.2 R114.2 156.11,48.09 U18.2
Net-(U18B-+): length 23.4
  Top w0.305: U18.5 162.45,45.54 164.83,47.92 164.83,48.59 163.68,49.75 163.68,52.14 161.06,54.75 156.79,54.75 155.27,53.23 155.27,51.33 155.45,51.15 R115.1
Net-(U18B--): length 32.8
  Top w0.305: v1(148.62,47.85) 149.02,48.25 150.18,48.25 C65.2 150.15,48.28 R116.1 ; U18.6 159.1,46.81 158.75,46.46 158.75,45.15 159.02,44.87 162.88,44.87 165.58,47.57 v1(165.58,47.73)
  Bottom w0.305: v1(165.58,47.73) 163.98,47.73 162.36,49.35 162.33,49.35 162.13,49.55 150.32,49.55 v1(148.62,47.85)
Net-(U19-CLK): length 31
  Top w0.305: v1(198.19,46.36) 198.93,45.62 U19.3 ; v1(177.4,51.25) 177.4,50.83 175.27,48.7 U16.4 172.7,48.7 R118.1
  Bottom w0.305: v1(177.4,51.25) 177.98,50.67 193.89,50.67 v1(198.19,46.36)
Net-(U19-DATA): length 35.5
  Top w0.305: U19.2 198.85,44.35 196.47,46.73 196.47,52.09 194.79,53.77 183.1,53.77 181.21,55.67 179.27,55.67 178.92,55.32 178.92,53.92 176.24,51.24 U16.2
Net-(U19-STROBE): length 21.4
  Top w0.305: U19.1 199.09,42.32 181.2,42.32 181.14,42.39 ; R119.2 181.14,42.31 181.14,42.39 ; 181.14,42.39 180.32,43.2

## Copper pours and planes (outline as drawn; the poured copper is in the pictures)
+12V on In2.Cu: 15.42,72.9 19.8,72.9 23.03,69.67 23.03,62.65 43.25,42.43 51.12,42.43 53.72,45.03 53.72,61.82 63.25,71.35 65.1,71.35 70.4,66.05 70.4,61.6 65.53,56.72 65.53,43.4 72.57,36.35 82.2,45.97 82.2,70.47 93.57,70.47 94.88,69.17 94.88,39.93 99.1,35.7 113.62,35.7 116.78,38.85 116.78,66.25 119.38,68.85 125.43,68.85 126.53,67.75 126.53,35.38 127.28,34.62 149.93,34.62 152.85,37.55 152.85,49.57 154.7,51.43 162.8,51.43 164,50.22 164,33.88 178.43,33.88 182.2,37.65 182.2,47.62 184.7,50.12 192.05,50.12 194.77,47.4 194.77,34.72 194.45,34.4 242.3,34.4 247.43,39.53 247.43,56.18 250.68,59.43 254.77,59.43 258.68,55.53 258.68,35.05 260.3,33.43 311.23,33.43 314.25,30.4 314.25,24.97 313.12,23.85 145.32,23.85 136.05,14.57 89.07,14.57 75.75,27.9 26.83,27.9 18.55,19.62 9.28,19.62 3.6,25.3 3.6,43.57 13.47,53.45 13.47,70.95
GNDREF on Top, Bottom, In1.Cu, In2.Cu: 0,0 314.9,0 314.9,110 0,110

## Text on the board
B.Silkscreen: Jacob Booth		01/2024 | 16 Step Analog Sequencer
